# Altium PCB EPS.PcbDoc (part 7 of 10)
Units mm, origin at the board's own origin, x right, y up, seen from the top; angles counter-clockwise.
Board outline 90.25 x 93.64 mm, 8 copper layers (Top Layer, PGND, Power, Control Signals 1, Control Signals 2, Signal 1, Signal 2, Bottom Layer), stack 1.637 mm thick; 941 components, 557 nets, 2694 pads, 869 vias.
Unrouted connection lines stored in the file: 2.
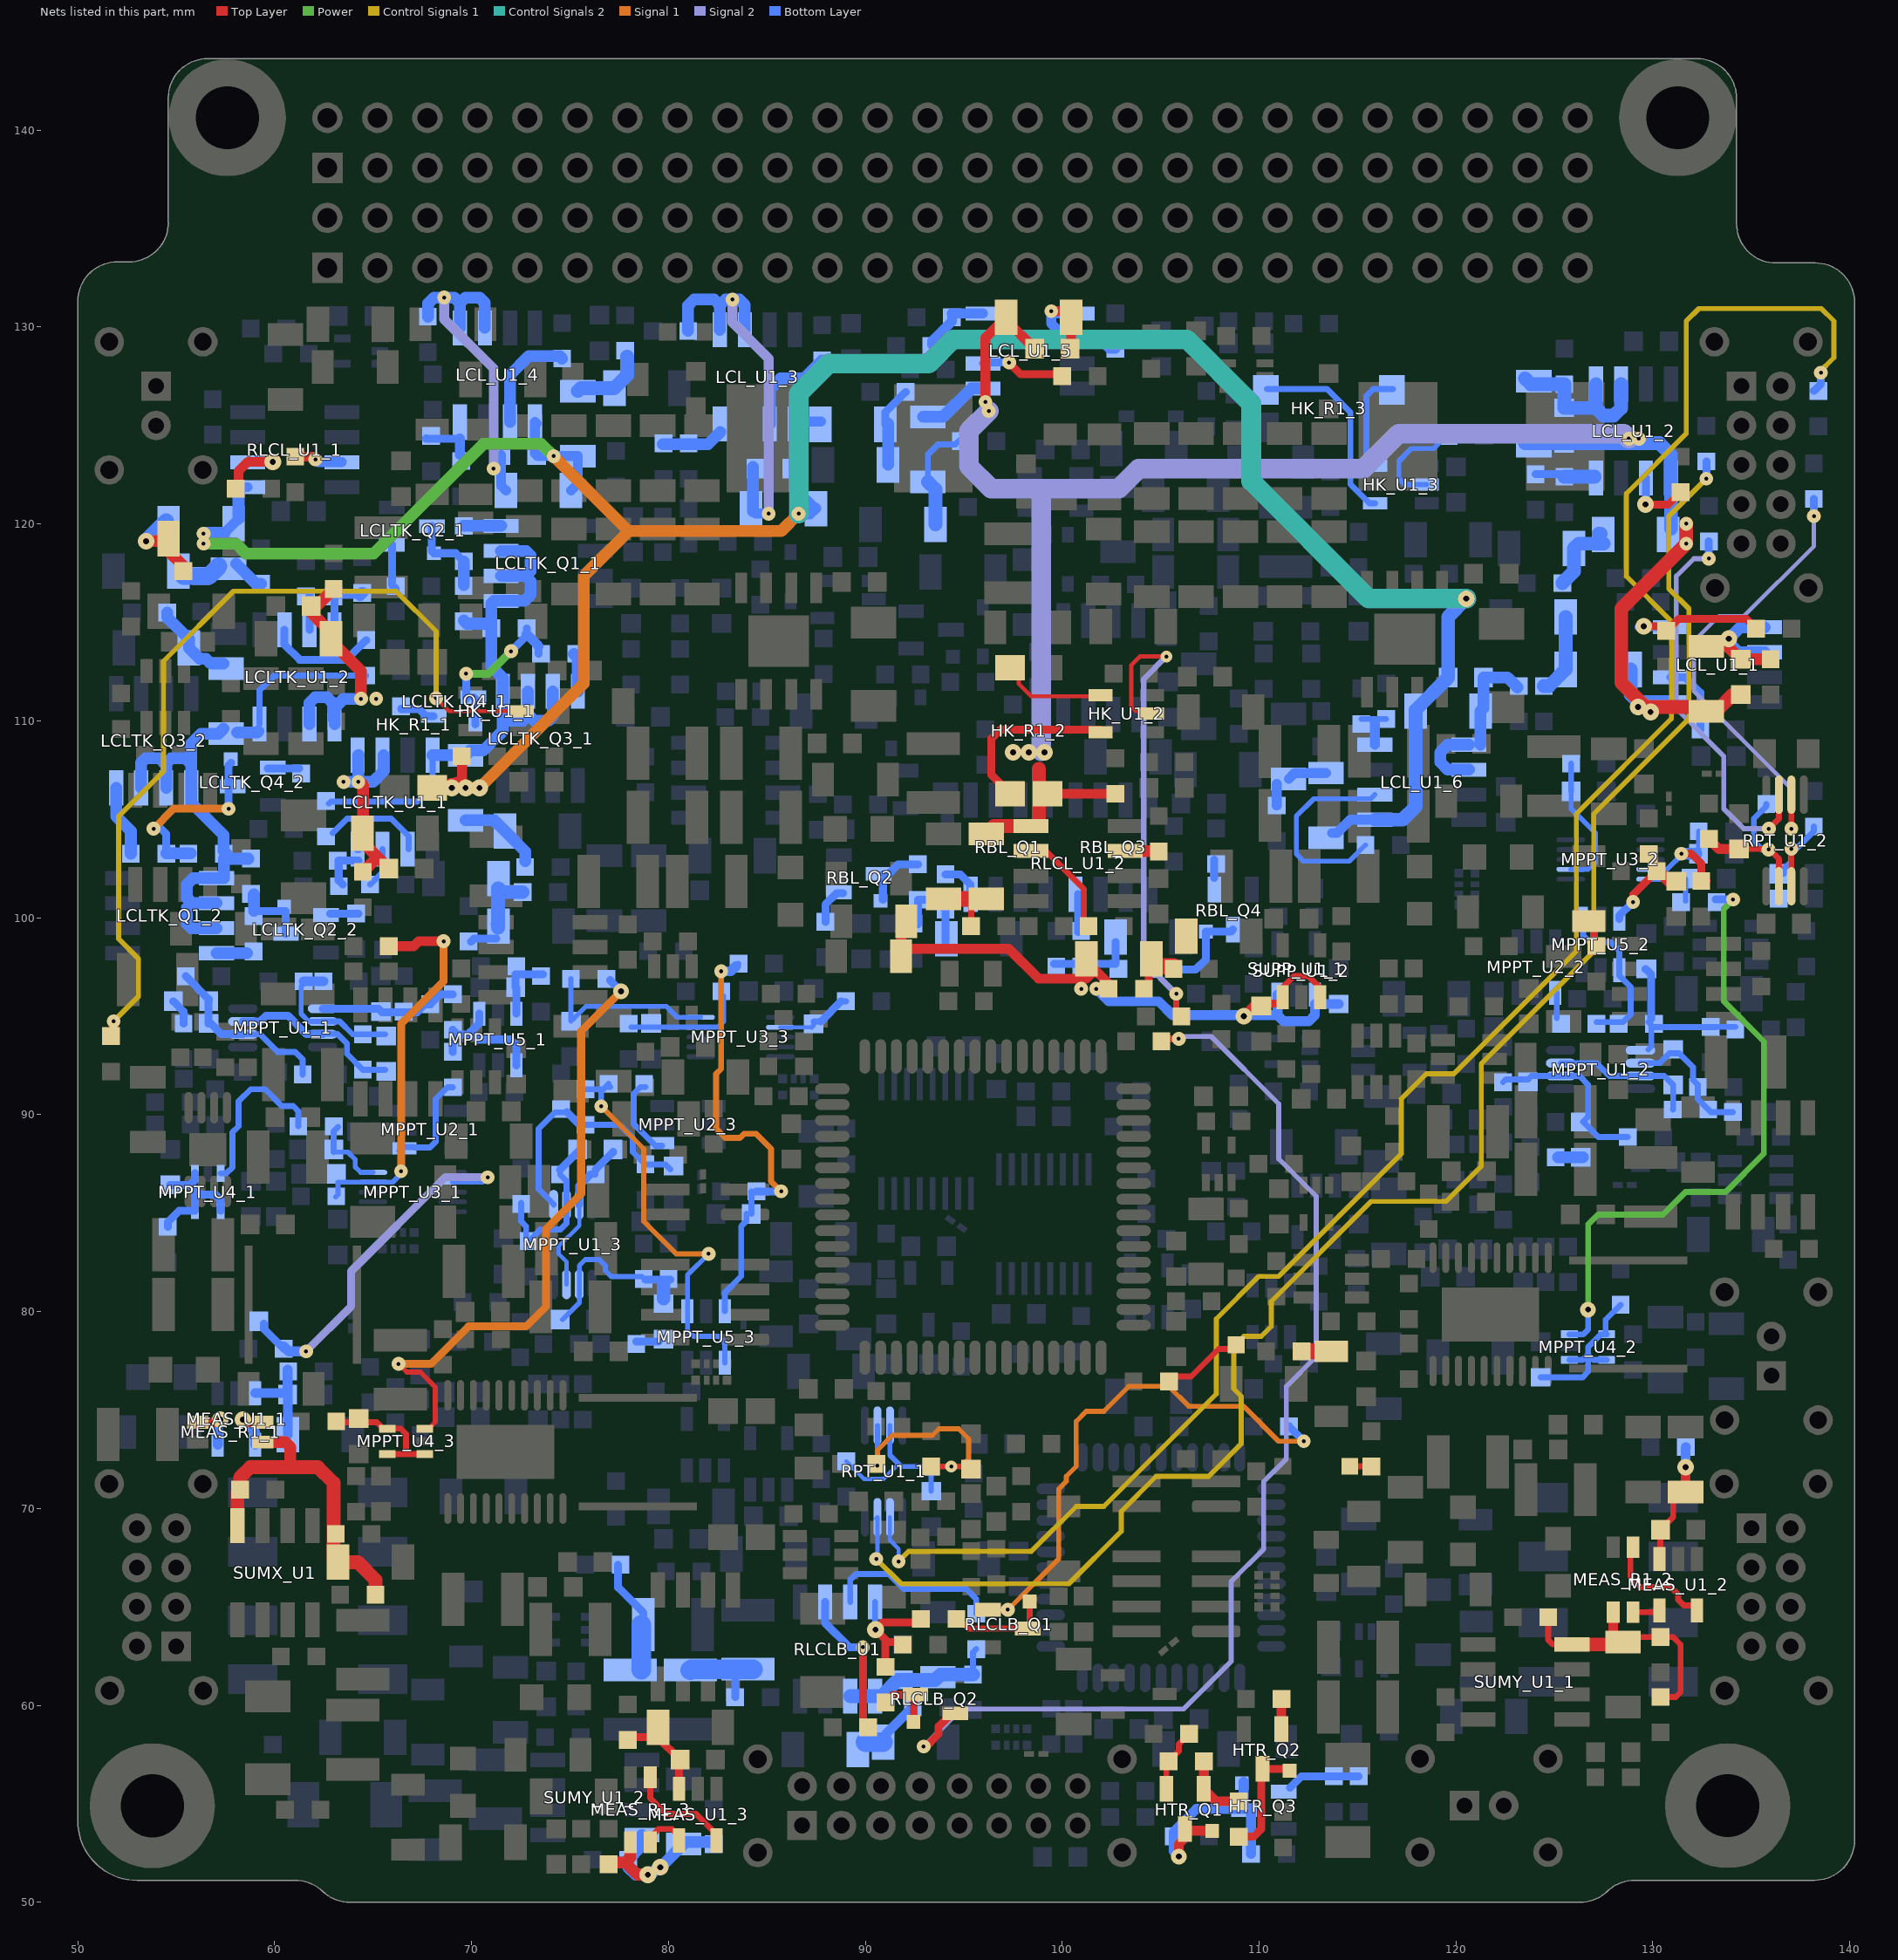
[diagram p13: the nets of this part, all layers, seen from the top]

## Via types
v1: diameter 0.7, hole 0.2, Top Layer to Bottom Layer, 431 vias
v2: diameter 0.85, hole 0.3, Top Layer to Bottom Layer, 345 vias
v3: diameter 0.6, hole 0.2, Top Layer to Bottom Layer, 62 vias
v4: diameter 0.8, hole 0.3, Top Layer to Bottom Layer, 19 vias
v5: diameter 0.75, hole 0.3, Top Layer to Bottom Layer, 7 vias
v6: diameter 1, hole 0.4, Top Layer to Bottom Layer, 2 vias
v7: diameter 0.7, hole 0.3, Top Layer to Bottom Layer, 2 vias
v8: diameter 1, hole 0.3, Top Layer to Bottom Layer, 1 vias

## Nets (pads, with @x,y where several pads share a name; then routed paths per layer and width w, separated by ;. In a path a pad name is that pad's centre, name@x,y a point inside that pad or via, vN(x,y) a via of type N, cw(c..) or ccw(c..) an arc to the next point about the centre after c; other vN are vias at no path point) (continued)
NetHK_R1_1_4: HK_R1_1.4 HK_R3_1.1 LCL_C1_3.1 LCL_C1_4.1 LCL_C1_6.1 LCL_C4_3.1 LCL_C4_4.1 LCL_C4_6.1 LCL_C5_3.1 LCL_C5_4.1 LCL_C5_6.1 LCL_U1_3.1 LCL_U1_4.1 LCL_U1_6.1 RLCL_C1_1.1 RLCL_U1_1.1 | length 137
  Top Layer w0.5: HK_R1_1.4@67.95,106.6 67.997,106.611 68.942,106.84 69.524,106.981 HK_R3_1.1@69.524,108.132
  Power w0.6: v1(56.388,118.999) 58.039,118.999 58.547,118.491 65.024,118.491 70.612,124.079 73.533,124.079 v1(74.168,123.444)
  Signal 1 w0.6: v2(69.7,106.6) v2(70.4,106.6) 75.692,111.892 75.692,117.348 77.978,119.634 ; v1(74.168,123.444) 77.978,119.634 ; v1(86.614,120.523) 85.725,119.634 77.978,119.634
  Control Signals 2 w1: v1(86.614,120.523) 86.614,126.619 88.138,128.143 93.218,128.143 94.451,129.376 106.336,129.376 109.601,126.111 109.601,122.174 115.57,116.205 v2(120.523,116.205)
  Bottom Layer w0.5: RLCL_C1_1.1@57.403,119.507 RLCL_C1_1.1@57.911,120.015 RLCL_C1_1.1@58.166,120.27 ; RLCL_U1_1.1@58.166,121.867 RLCL_U1_1.1@58.629,121.867 ; LCL_U1_4.1@73.3,125.1 LCL_U1_4.1@73.22,125.18 73.22,123.58 LCL_C5_4.1@73.3,123.5 73.35,123.45 LCL_C1_4.1@75.4,123.45 75.4,122.05 LCL_C4_4.1@75.05,121.7 ; LCL_C4_3.1@87.45,120.8 86.36,121.89 86.36,124.46 86.42,124.52 LCL_U1_3.1@86.42,125.08 86.54,125.2 LCL_C1_3.1@87.75,125.2 ; LCL_C1_6.1@113.7,104.3 113.952,104.3 114.632,104.98 LCL_U1_6.1@115.88,104.98
  Bottom Layer w0.6: RLCL_C1_1.1@58.166,120.27 RLCL_U1_1.1@58.166,121.867 ; v1(86.614,120.523) 87.173,120.523 LCL_C4_3.1@87.45,120.8
  Bottom Layer w0.7: v1(56.388,119.507) RLCL_C1_1.1@57.403,119.507 ; LCL_U1_6.1@115.88,104.98 117.28,104.98 117.95,105.65 LCL_C4_6.1@117.95,110.5 117.95,110.55 LCL_C5_6.1@119.6,112.2 119.6,115.282 v2(120.523,116.205)
  other v2: 69,106.6
NetHK_R1_2_2: HK_R1_2.2 HK_U1_2.4 | length 5.5
  Top Layer w0.208: HK_R1_2.2@97.35,112.7 97.79,112.26 97.79,111.887 98.425,111.252 101.742,111.252 HK_U1_2.4@101.94,111.45
NetHK_R1_2_3: HK_R1_2.3 HK_U1_2.5 | length 8.9
  Top Layer w0.4: HK_R1_2.3@97.35,106.3 96.4,107.25 96.4,109.1 96.85,109.55 HK_U1_2.5@101.94,109.55
NetHK_R1_2_4: HK_R1_2.4 HK_R3_2.1 LCL_C1_1.1 LCL_C1_2.1 LCL_C1_5.1 LCL_C4_1.1 LCL_C4_2.1 LCL_C4_5.1 LCL_C5_1.1 LCL_C5_2.1 LCL_C5_5.1 LCL_U1_1.1 LCL_U1_2.1 LCL_U1_5.1 RLCL_C1_2.1 RLCL_U1_2.1 | length 102.3
  Top Layer w0.5: v1(96.1,126.2) 96.1,129.45 LCL_C4_5.1@97.15,130.5 97.15,130.35 LCL_C5_5.1@98.6,128.9 ; HK_R1_2.4@99.95,106.3 HK_R3_2.1@102.7,106.3
  Top Layer w0.7: RLCL_C1_2.1@96.139,104.266 96.536,104.663 RLCL_U1_2.1@98.418,104.663 ; RLCL_U1_2.1@98.806,104.648 98.806,107.569 ; v2@129.718,110.707 132.677,110.707 132.736,110.701 133.371,110.638 134.063,111.33 LCL_C5_1.1@134.455,111.33 ; v2(129.883,110.452) 128.397,111.938 128.397,115.697 v1(131.699,118.999) v1(131.699,120.015)
  Signal 2 w1: v1(96.266,125.73) 95.25,124.714 95.25,122.936 96.393,121.793 98.933,121.793 ; v2@98.933,108.458 98.933,121.793 ; v1(128.778,124.333) 128.524,124.587 117.094,124.587 115.316,122.809 103.886,122.809 102.87,121.793 98.933,121.793
  Bottom Layer w0.6: LCL_C1_5.1@92.926,125.437 LCL_C1_5.1@93.18,125.437 93.941,125.437 95.384,126.88 LCL_U1_5.1@95.98,126.88
  Bottom Layer w0.7: LCL_C4_2.1@123.5,124.1 LCL_C5_2.1@125.5,124.1 130.332,124.1 130.92,123.512 LCL_U1_2.1@130.92,122.33 LCL_C1_2.1@130.92,119.77 ; LCL_C1_1.1@128.866,112.611 128.866,111.344 129.248,110.962 v2(129.248,110.706) 129.487,110.945 LCL_U1_1.1@130.892,110.945
  other v1: 129.286,124.333
  other v2: 97.5,108.4 98.3,108.4 99.1,108.4
NetHK_R1_3_2: HK_R1_3.2 HK_U1_3.4 | length 10
  Bottom Layer w0.3: HK_R1_3.2@110.4,126.85 113.45,126.85 114.643,125.657 114.643,122.009 115.602,121.05 HK_U1_3.4@115.89,121.05
NetHK_R1_3_3: HK_R1_3.3 HK_U1_3.5 | length 5.4
  Bottom Layer w0.3: HK_U1_3.5@115.89,122.95 115.607,122.95 115.443,123.114 115.443,126.492 115.801,126.85 HK_R1_3.3@116.8,126.85
NetHK_R5_1_1: HK_R5_1.1 HK_U1_1.2 | length 45.2
  Top Layer w0.208: v1(68.199,111.153) 68.862,110.49 HK_U1_1.2@72.557,110.49
  Top Layer w0.254: HK_R5_1.1@51.689,93.991 HK_R5_1.1@51.816,94.118
  Top Layer w0.5: HK_R5_1.1@51.816,94.118 v1(51.816,94.742)
  Control Signals 1 w0.254: v1(51.816,94.742) 53.086,96.012 53.086,97.917 52.07,98.933 52.07,105.156 54.356,107.442 54.356,113.03 57.912,116.586 66.167,116.586 68.199,114.554 v1(68.199,111.153)
NetHK_R5_2_1: HK_R5_2.1 HK_U1_2.2 | length 24.7
  Top Layer w0.208: HK_U1_2.2@104.56,110.5 103.749,110.5 103.505,110.744 103.505,112.829 103.948,113.273 v3(105.283,113.273)
  Top Layer w0.3: v1(105.791,96.139) 105.791,95.261 HK_R5_2.1@106.056,94.996
  Signal 2 w0.3: v3(105.283,113.273) 104.14,112.13 104.14,97.79 v1(105.791,96.139)
NetHK_R5_3_1: HK_R5_3.1 HK_U1_3.2 | length 5.4
  Bottom Layer w0.254: HK_U1_3.2@118.51,122 117.395,122 117.094,122.301 117.094,123.19 117.729,123.825 118.861,123.825 HK_R5_3.1@119.496,124.46
NetHTR_Q1_B: HTR_Q1.B HTR_R4.1 HTR_R5.2 | length 3.6
  Top Layer w0.5: HTR_R4.1@107.199,57.15 107.199,55.764 HTR_Q1.B@107.188,55.753 107.812,55.129 HTR_R5.2@108.966,55.129 HTR_R5.2@109.093,55.129
NetHTR_Q1_C: HTR_Q1.C HTR_Q1.Shield HTR_Q3.D HTR_Q3.Shield HTR_R2.2 HTR_R3.2 | length 12
  Top Layer w0.5: v4(105.918,52.324) 105.918,52.959 106.238,53.279 HTR_Q1.C@106.238,53.728 106.338,53.628 HTR_Q1.Shield@107.613,53.628
  Bottom Layer w0.5: v4(105.918,52.324) 105.653,52.589 HTR_R2.2@105.653,53.34 105.653,53.583 106.807,54.737 109.208,54.737 HTR_Q3.Shield@109.208,56.112 ; HTR_R3.2@109.59,52.451 HTR_Q3.D@109.59,54.737
NetHTR_Q1_E: HTR_Q1.E HTR_R1.1 HTR_R4.2 | length 3.1
  Top Layer w0.3: HTR_Q1.E@105.288,55.753 105.288,57.039 HTR_R4.2@105.399,57.15 105.918,57.669 105.918,58.028 HTR_R1.1@106.31,58.42
NetHTR_Q2_B: HTR_Q2.B HTR_R8.1 | length 0.8
  Top Layer w0.5: HTR_Q2.B@111.125,59.436 HTR_R8.1@111.125,60.26
NetHTR_Q2_C: HTR_Q2.C HTR_Q2.Shield HTR_R5.1 | length 5.4
  Top Layer w0.4: HTR_R5.1@109.093,53.329 109.717,53.329 110.109,53.721 110.109,56.515 HTR_Q2.C@110.359,56.765 ; HTR_Q2.C@110.363,56.769 HTR_Q2.C@110.359,56.765 ; HTR_Q2.Shield@111.385,56.765 HTR_Q2.C@110.359,56.765
NetHTR_Q3_G: HTR_Q3.G HTR_R6.2 HTR_R7.2 | length 3.7
  Bottom Layer w0.4: HTR_Q3.G@111.567,55.814 112.152,56.399 HTR_R7.2@113.792,56.399 113.803,56.388 HTR_R6.2@115.051,56.388
NetLCL_C1_1_2: LCL_C1_1.2 LCL_C3_1.1 LCL_R5_1.2 | length 4.1
  Bottom Layer w0.7: LCL_R5_1.2@124.46,111.771 124.726,111.771 LCL_C1_1.2@125.566,112.611 125.566,115.276 LCL_C3_1.1@125.564,115.278
NetLCL_C1_2_2: LCL_C1_2.2 LCL_C3_2.1 LCL_R5_2.2 | length 3.7
  Bottom Layer w0.7: LCL_R5_2.2@125.4,117 125.987,117.587 LCL_C3_2.1@125.987,118.75 126.237,119 LCL_C1_2.2@127.5,119 ; LCL_C1_2.2@127.25,119.5 LCL_C1_2.2@127.35,119.5
NetLCL_C1_3_2: LCL_C1_3.2 LCL_C3_3.1 LCL_R5_3.2 | length 4.2
  Bottom Layer w0.4: LCL_C1_3.2@91.02,125.057 91.02,125.68 LCL_R5_3.2@92.048,126.708
  Bottom Layer w0.6: LCL_C3_3.1@91.15,123 LCL_C1_3.2@91.15,125.1
NetLCL_C1_4_2: LCL_C1_4.2 LCL_C3_4.1 LCL_R5_4.2 | length 3.8
  Bottom Layer w0.7: LCL_C1_4.2@75.4,126.75 75.55,126.9 LCL_C3_4.1@77.25,126.9 77.9,127.55 LCL_R5_4.2@77.9,128.5
NetLCL_C1_5_2: LCL_C1_5.2 LCL_C3_5.1 LCL_R5_5.2 | length 5.7
  Bottom Layer w0.3: LCL_C1_5.2@93.18,122.137 93.18,123.533 93.688,124.041 94.566,124.041 LCL_R5_5.2@94.82,124.295
  Bottom Layer w0.7: LCL_C1_5.2@93.18,122.137 93.56,121.757 LCL_C3_5.1@93.56,119.977
NetLCL_C1_6_2: LCL_C1_6.2 LCL_C3_6.1 LCL_R5_6.2 | length 3.1
  Bottom Layer w0.5: LCL_R5_6.2@110.9,105.7 LCL_C3_6.1@110.9,106.807 ; LCL_C3_6.1@111.5,107.05 111.8,107.35 LCL_C1_6.2@113.4,107.35
NetLCL_C4_1_2: LCL_C4_1.2 LCL_C5_1.2 LCL_R3_1.2 LCL_U1_1.5 LCL_U1_1.6 | length 7.3
  Top Layer w0.6: LCL_C4_1.2@133.096,113.792 133.793,113.792 LCL_C5_1.2@134.455,113.13 LCL_R3_1.2@135.852,113.13
  Bottom Layer w0.6: LCL_U1_1.6@135.672,113.485 134.343,113.485 133.858,113.97 v2(133.858,114.173) 134.44,114.755 LCL_U1_1.5@135.672,114.755
NetLCL_C4_2_2: LCL_C4_2.2 LCL_C5_2.2 LCL_R3_2.2 LCL_U1_2.5 LCL_U1_2.6 | length 9
  Bottom Layer w0.7: LCL_C4_2.2@123.5,127.4 123.8,127.1 LCL_R3_2.2@125.5,127.1 LCL_C5_2.2@125.5,125.9 125.51,125.89 127.11,125.89 ; LCL_U1_2.5@127.11,127.11 127.11,125.89 ; LCL_U1_2.6@128.38,127.11 128.38,125.88 128,125.5 127.5,125.5 127.11,125.89
NetLCL_C4_3_2: LCL_C4_3.2 LCL_C5_3.2 LCL_R3_3.2 LCL_U1_3.5 LCL_U1_3.6 | length 21.9
  Signal 2 w0.5: v1(83.25,131.4) 83.25,130.237 85.09,128.397 v1(85.09,120.523)
  Bottom Layer w0.4: LCL_C4_3.2@84.3,120.65 LCL_C4_3.2@84.427,120.523
  Bottom Layer w0.5: LCL_C4_3.2@84.427,120.523 v1(85.09,120.523)
  Bottom Layer w0.6: LCL_R3_3.2@81,129.8 81,131.1 81.3,131.4 82.32,131.4 82.61,131.11 ; LCL_U1_3.5@82.61,129.86 82.61,131.11 ; LCL_U1_3.6@83.88,129.86 83.88,131.12 83.6,131.4 v1(83.25,131.4) 82.9,131.4 82.61,131.11 ; LCL_C4_3.2@84.3,120.65 LCL_C5_3.2@84.3,122.9
NetLCL_C4_4_2: LCL_C4_4.2 LCL_C5_4.2 LCL_R3_4.2 LCL_U1_4.5 LCL_U1_4.6 | length 18.2
  Signal 2 w0.5: v1(68.61,131.5) 68.61,130.399 71.12,127.889 v1(71.12,122.809)
  Bottom Layer w0.5: LCL_C5_4.2@71.5,123.5 71.5,121.95 LCL_C4_4.2@71.75,121.7
  Bottom Layer w0.6: LCL_R3_4.2@67.8,130.529 67.8,131.2 68.1,131.5 v1(68.61,131.5) 69.12,131.5 69.41,131.21 ; LCL_U1_4.5@69.41,129.96 69.41,131.21 ; LCL_U1_4.6@70.68,129.96 70.68,131.22 70.4,131.5 69.7,131.5 69.41,131.21
NetLCL_C4_5_2: LCL_C4_5.2 LCL_C5_5.2 LCL_R3_5.2 LCL_U1_5.5 LCL_U1_5.6 | length 7.9
  Top Layer w0.5: v1(99.441,130.81) 100.14,130.81 LCL_C4_5.2@100.45,130.5 100.45,128.95 LCL_C5_5.2@100.4,128.9
  Bottom Layer w0.5: v1(99.441,130.81) v1@99.441,130.69 ; LCL_U1_5.6@100.203,129.413 99.441,130.175 v1@99.441,130.69 ; LCL_U1_5.6@100.76,129.42 101.88,129.42 102.4,128.9 LCL_R3_5.2@102.7,128.9 ; LCL_U1_5.5@100.76,130.69 v1@99.441,130.69
NetLCL_C4_6_2: LCL_C4_6.2 LCL_C5_6.2 LCL_R3_6.2 LCL_U1_6.5 LCL_U1_6.6 | length 9.1
  Bottom Layer w0.6: LCL_U1_6.6@120.66,107.52 119.58,107.52 119.2,107.9 119.2,108.4 119.59,108.79 LCL_U1_6.5@120.66,108.79 ; LCL_U1_6.5@121.25,108.8 LCL_C4_6.2@121.25,110.5 121.4,110.65 LCL_C5_6.2@121.4,112.2 122.623,112.2 LCL_R3_6.2@123.121,111.702
NetLCL_R1_1_1: LCL_R1_1.1 LCL_U1_1.2 | length 3.7
  Bottom Layer w0.4: LCL_U1_1.2@130.892,112.215 131.625,112.215 132.412,111.428 LCL_R1_1.1@132.412,109.563
NetLCL_R1_2_1: LCL_R1_2.1 LCL_U1_2.2 | length 3.4
  Top Layer w0.4: v2(129.629,120.993) 130.783,120.993 LCL_R1_2.1@131.407,121.617
  Bottom Layer w0.4: v2(129.629,120.993) 129.65,121.014 LCL_U1_2.2@129.65,122.33
NetLCL_R1_3_1: LCL_R1_3.1 LCL_U1_3.2 | length 5
  Bottom Layer w0.6: LCL_U1_3.2@85.15,125.08 85.15,126.85 85.7,127.4 86.9,127.4 LCL_R1_3.1@87.8,128.3
NetLCL_R1_4_1: LCL_R1_4.1 LCL_U1_4.2 | length 5.5
  Bottom Layer w0.6: LCL_U1_4.2@71.95,125.18 71.95,127.576 72.899,128.525 74.475,128.525 LCL_R1_4.1@74.6,128.4
NetLCL_R1_5_1: LCL_R1_5.1 LCL_U1_5.2 | length 4.2
  Top Layer w0.4: v1(97.3,128.2) 97.9,127.6 LCL_R1_5.1@99.9,127.6
  Bottom Layer w0.4: LCL_U1_5.2@95.98,128.15 96.03,128.2 v1(97.3,128.2)
NetLCL_R1_6_1: LCL_R1_6.1 LCL_U1_6.2 | length 10.4
  Bottom Layer w0.254: LCL_R1_6.1@115.4,103.7 114.57,102.87 112.268,102.87 111.887,103.251 111.887,105.156 112.776,106.045 115.675,106.045 LCL_U1_6.2@115.88,106.25
NetLCL_R2_1_2: LCL_R2_1.2 LCL_R4_1.1 LCL_U1_1.4 | length 8.2
  Top Layer w0.4: v2(129.54,114.808) 130.44,114.808 LCL_R4_1.1@130.683,114.565 130.694,114.565 131.318,115.189 134.736,115.189 LCL_R2_1.2@135.244,114.681
  Bottom Layer w0.4: v2(129.54,114.808) 129.316,114.808 129.263,114.755 LCL_U1_1.4@130.892,114.755
NetLCL_R2_2_2: LCL_R2_2.2 LCL_R4_2.1 LCL_U1_2.4 | length 3.1
  Bottom Layer w0.4: LCL_R4_2.1@124.041,122.528 125.372,122.528 LCL_R2_2.2@125.5,122.4
  Bottom Layer w0.7: LCL_R2_2.2@125.5,122.4 LCL_U1_2.4@127.04,122.4
NetLCL_R2_3_2: LCL_R2_3.2 LCL_R4_3.1 LCL_U1_3.4 | length 3.2
  Bottom Layer w0.6: LCL_R4_3.1@79.718,124.052 82.015,124.052 LCL_U1_3.4@82.639,124.676
NetLCL_R2_4_2: LCL_R2_4.2 LCL_R4_4.1 LCL_U1_4.4 | length 2.5
  Bottom Layer w0.4: LCL_R2_4.2@67.691,124.344 67.702,124.333 LCL_U1_4.4@69.41,124.333
  Bottom Layer w0.5: LCL_R4_4.1@69.41,123.51 LCL_U1_4.4@69.41,124.333
NetLCL_R2_5_2: LCL_R2_5.2 LCL_R4_5.1 LCL_U1_5.4 | length 3.4
  Bottom Layer w0.5: LCL_R4_5.1@93.4,129.1 93.4,129.3 94.4,130.3 LCL_R2_5.2@94.4,130.5 ; LCL_R2_5.2@94.39,130.69 LCL_U1_5.4@95.98,130.69
NetLCL_R2_6_2: LCL_R2_6.2 LCL_R4_6.1 LCL_U1_6.4 | length 2.5
  Bottom Layer w0.3: LCL_R4_6.1@115.189,110.098 LCL_R2_6.2@116.459,110.098
  Bottom Layer w0.5: LCL_U1_6.4@115.88,108.79 115.88,109.982
NetLCLTK_C1_1_2: LCLTK_C1_1.2 LCLTK_C3_1.1 LCLTK_R14_1.2 LCLTK_R16_1.1 | length 4.9
  Bottom Layer w0.4: LCLTK_R16_1.1@69.977,98.784 70.126,98.933 LCLTK_C3_1.1@71.247,98.933 ; LCLTK_C3_1.1@71.166,99.684 LCLTK_C3_1.1@71.35,99.5
  Bottom Layer w0.7: LCLTK_C3_1.1@71.35,99.5 71.35,101.5 71.55,101.3 LCLTK_R14_1.2@72.595,101.3
NetLCLTK_C1_2_2: LCLTK_C1_2.2 LCLTK_C3_2.1 LCLTK_R14_2.2 LCLTK_R16_2.1 | length 3.7
  Bottom Layer w0.6: LCLTK_C1_2.2@58.039,117.983 59.066,116.956 LCLTK_R14_2.2@59.309,116.956
  Bottom Layer w0.9: LCLTK_C3_2.1@55.372,117.348 56.642,117.348 LCLTK_C1_2.2@57.15,117.856
NetLCLTK_C2_1_1: LCLTK_C2_1.1 LCLTK_Q1_1.S LCLTK_Q3_1.S LCLTK_R1_1.2 LCLTK_R4_1.2 LCLTK_R9_1.2 LCLTK_U1_1.8 | length 32.3
  Bottom Layer w0.3: LCLTK_R4_1.2@62.75,105.8 62.85,105.9 67.2,105.9 ; 67.25,105.9 68.02,106.67 LCLTK_U1_1.8@68.02,108.26
  Bottom Layer w0.6: LCLTK_U1_1.8@68.02,108.26 69.69,108.26 LCLTK_C2_1.1@69.7,108.25 69.95,108.5 70.6,108.5 71.59,109.49 71.59,110.31 ; LCLTK_R1_1.2@69.6,115.1 69.765,114.935 70.765,114.935 LCLTK_R9_1.2@71,114.7 ; LCLTK_Q1_1.S@71.5,117.36 72.74,117.36 ; LCLTK_Q1_1.S@71.5,118.63 72.77,118.63 73,118.4 73,117.6 72.76,117.36 72.74,117.36 ; LCLTK_Q3_1.S@72.86,111.5 72.86,110.34 ; LCLTK_Q3_1.S@74.13,111.5 74.13,110.23 73.9,110 73.2,110 72.86,110.34 ; LCLTK_R9_1.2@71,114.7 71,115.958 71.132,116.09 LCLTK_Q1_1.S@71.5,116.09 72.69,116.09 73,116.4 73,117.1 72.74,117.36 ; LCLTK_R9_1.2@71,114.7 71,112.769 71.59,112.179 LCLTK_Q3_1.S@71.59,111.5 71.59,110.31 ; 71.59,110.31 71.9,110 72.6,110 72.86,110.26 72.86,110.34
NetLCLTK_C2_1_2: LCLTK_C2_1.2 LCLTK_C5_1.1 LCLTK_R15_1.2 | length 4.2
  Bottom Layer w0.6: LCLTK_C2_1.2@69.7,104.95 71.15,104.95 LCLTK_C5_1.1@71.7,104.4 72.733,103.367 LCLTK_R15_1.2@72.733,102.867
NetLCLTK_C2_2_1: LCLTK_C2_2.1 LCLTK_Q1_2.S LCLTK_Q3_2.S LCLTK_R1_2.2 LCLTK_R4_2.2 LCLTK_R9_2.2 LCLTK_U1_2.8 | length 31.8
  Bottom Layer w0.3: LCLTK_U1_2.8@59.23,109.84 59.23,111.554 59.976,112.3 LCLTK_R4_2.2@64.65,112.3 LCLTK_R4_2.2@64.55,112.2
  Bottom Layer w0.6: LCLTK_Q3_2.S@53.22,106.6 53.22,107.87 53.45,108.1 54.15,108.1 54.49,107.76 ; LCLTK_Q3_2.S@54.49,106.6 54.49,107.76 ; LCLTK_Q1_2.S@57.05,99.47 55.78,99.47 55.55,99.7 55.55,100.5 55.79,100.74 55.81,100.74 ; LCLTK_Q1_2.S@57.05,100.74 55.81,100.74 ; LCLTK_C2_2.1@57.4,109.6 57.147,109.347 56.261,109.347 55.76,108.846 55.76,107.79 ; LCLTK_R9_2.2@57.55,103.251 57.404,103.397 57.404,104.203 55.76,105.847 LCLTK_Q3_2.S@55.76,106.6 55.76,107.79 ; LCLTK_C2_2.1@58.1,109.4 59.108,109.4 LCLTK_U1_2.8@59.182,109.474 ; LCLTK_R1_2.2@58.674,102.997 57.433,102.997 57.433,102.01 LCLTK_Q1_2.S@57.05,102.01 55.86,102.01 55.55,101.7 55.55,101 55.81,100.74 ; 54.49,107.76 54.49,107.84 54.75,108.1 55.45,108.1 55.76,107.79
NetLCLTK_C2_2_2: LCLTK_C2_2.2 LCLTK_C5_2.1 LCLTK_R15_2.2 | length 4.3
  Bottom Layer w0.6: LCLTK_R15_2.2@54.55,115.5 54.55,115.249 55.65,114.149 LCLTK_C5_2.1@55.65,113.7 56.193,113.157 56.515,113.157 56.772,112.9 LCLTK_C2_2.2@57.4,112.9
NetLCLTK_C4_1_2: LCLTK_C4_1.2 LCLTK_C6_1.2 LCLTK_R7_1.2 LCLTK_U1_1.5 LCLTK_U1_1.6 | length 10.7
  Top Layer w0.6: v1@64.329,106.9 64.5,106.729 64.5,104.3 64.45,104.25 64.45,103.85 65.15,103.15 ; LCLTK_R7_1.2@64.478,102.335 65.15,103.007 65.15,103.15 ; LCLTK_C4_1.2@65.635,102.335 LCLTK_C4_1.2@65.8,102.5 65.15,103.15
  Bottom Layer w0.6: v1(63.5,106.9) v1(64.25,106.9) 64.25,108.25 LCLTK_U1_1.5@64.26,108.26 ; v1@64.329,106.9 64.99,106.9 65.53,107.44 LCLTK_U1_1.6@65.53,108.26
NetLCLTK_C4_2_2: LCLTK_C4_2.2 LCLTK_C6_2.2 LCLTK_R7_2.2 LCLTK_U1_2.5 LCLTK_U1_2.6 | length 12.5
  Top Layer w0.6: LCLTK_C6_2.2@62.9,114.454 61.822,115.532 LCLTK_R7_2.2@62.992,116.702 ; LCLTK_C6_2.2@62.95,114.2 62.95,113.961 64.389,112.522 v1(64.389,111.125)
  Bottom Layer w0.6: LCLTK_U1_2.6@61.77,109.84 61.77,110.92 62.05,111.2 62.65,111.2 62.992,110.858 LCLTK_U1_2.5@62.992,110.109 ; LCLTK_U1_2.5@63.04,109.84 63.04,110.665 63.5,111.125 v1(64.389,111.125)
  other v1: 65.151,111.125
NetLCLTK_Q1_1_G: LCLTK_Q1_1.G LCLTK_R2_1.2 | length 1.9
  Bottom Layer w0.6: LCLTK_R2_1.2@69.6,119.9 LCLTK_Q1_1.G@71.5,119.9
NetLCLTK_Q1_2_G: LCLTK_Q1_2.G LCLTK_R2_2.2 | length 1.5
  Bottom Layer w0.6: LCLTK_Q1_2.G@57.05,98.2 LCLTK_R2_2.2@58.587,98.2
NetLCLTK_Q2_1_B: LCLTK_Q2_1.B LCLTK_R3_1.1 | length 2.3
  Bottom Layer w0.4: LCLTK_Q2_1.B@65.959,118.938 65.959,116.904 LCLTK_R3_1.1@66.15,116.713
NetLCLTK_Q2_1_C: LCLTK_Q2_1.C LCLTK_Q2_1.Shield LCLTK_R1_1.1 LCLTK_R2_1.1 | length 4.3
  Bottom Layer w0.4: LCLTK_Q2_1.C@67.984,119.888 67.984,118.613 LCLTK_Q2_1.Shield@68.084,118.513 69.187,118.513 LCLTK_R2_1.1@69.6,118.1
  Bottom Layer w0.6: LCLTK_R1_1.1@69.6,116.9 LCLTK_R2_1.1@69.6,118.1
NetLCLTK_Q2_2_B: LCLTK_Q2_2.B LCLTK_R3_2.1 | length 1.4
  Bottom Layer w0.4: LCLTK_Q2_2.B@62.825,100.2 LCLTK_R3_2.1@64.25,100.2
NetLCLTK_Q2_2_C: LCLTK_Q2_2.C LCLTK_Q2_2.Shield LCLTK_R1_2.1 LCLTK_R2_2.1 | length 4.5
  Bottom Layer w0.4: LCLTK_R2_2.1@58.95,100.341 60.539,100.341 60.55,100.33 LCLTK_Q2_2.C@60.55,99.187
  Bottom Layer w0.6: LCLTK_R1_2.1@58.928,101.178 58.95,100.341 58.95,101.2 LCLTK_R1_2.1@58.928,101.178
NetLCLTK_Q3_1_G: LCLTK_Q3_1.G LCLTK_R10_1.2 | length 2
  Bottom Layer w0.6: LCLTK_R10_1.2@75.2,113.4 75.4,113.2 LCLTK_Q3_1.G@75.4,111.5
NetLCLTK_Q3_2_G: LCLTK_Q3_2.G LCLTK_R10_2.2 | length 3.7
  Bottom Layer w0.6: LCLTK_Q3_2.G@51.95,106.6 51.95,105.149 52.694,104.405 LCLTK_R10_2.2@52.694,103.251
NetLCLTK_Q4_1_B: LCLTK_Q4_1.B LCLTK_R11_1.1 | length 1.8
  Bottom Layer w0.4: LCLTK_R11_1.1@66.421,110.606 67.321,110.606 67.677,110.25 LCLTK_Q4_1.B@68.075,110.25
NetLCLTK_Q4_1_C: LCLTK_Q4_1.C LCLTK_Q4_1.Shield LCLTK_R9_1.1 LCLTK_R10_1.1 | length 8.2
  Power w0.4: v1(69.723,112.395) 70.866,112.395 v1(72.009,113.538)
  Bottom Layer w0.4: LCLTK_Q4_1.C@69.723,111.125 v1(69.723,112.395) ; LCLTK_Q4_1.C@70.1,111.2 70.2,111.1 LCLTK_Q4_1.Shield@70.2,109.825 ; v1(72.009,113.538) 72.8,114.329 72.8,114.398 LCLTK_R9_1.1@72.8,114.7 ; LCLTK_R10_1.1@73.4,113.4 LCLTK_R10_1.1@73.4,113.798
  Bottom Layer w0.5: LCLTK_R9_1.1@72.8,114.398 LCLTK_R10_1.1@73.4,113.798
NetLCLTK_Q4_2_B: LCLTK_Q4_2.B LCLTK_R11_2.1 | length 1.6
  Bottom Layer w0.4: LCLTK_Q4_2.B@59.65,107.573 LCLTK_R11_2.1@61.25,107.573
NetLCLTK_Q4_2_C: LCLTK_Q4_2.C LCLTK_Q4_2.Shield LCLTK_R9_2.1 LCLTK_R10_2.1 | length 9.6
  Signal 1 w0.4: v1(53.848,104.521) 54.864,105.537 v1(57.658,105.537)
  Bottom Layer w0.4: v1(53.848,104.521) 54.229,104.521 54.494,104.256 54.494,103.273 LCLTK_R10_2.1@54.494,103.251 ; v1(57.658,105.537) 57.658,107.738 LCLTK_Q4_2.Shield@57.785,107.865
  Bottom Layer w0.6: LCLTK_R10_2.1@54.494,103.273 LCLTK_R9_2.1@55.75,103.273
NetLCLTK_R4_1_1: LCLTK_R4_1.1 LCLTK_U1_1.2 | length 5.2
  Bottom Layer w0.3: LCLTK_R4_1.1@62.95,104.3 63.679,105.029 65.913,105.029 66.8,104.142 LCLTK_U1_1.2@66.8,103.48
NetLCLTK_R4_2_1: LCLTK_R4_2.1 LCLTK_U1_2.2 | length 5.6
  Bottom Layer w0.4: LCLTK_U1_2.2@60.5,114.62 60.5,113.871 61.271,113.1 63.65,113.1 LCLTK_R4_2.1@64.65,114.1
NetLCLTK_R6_1_2: LCLTK_R6_1.2 LCLTK_R13_1.1 LCLTK_U1_1.4 | length 2.3
  Bottom Layer w0.4: LCLTK_R6_1.2@63.45,101.7 63.25,101.9 63.25,102.9 LCLTK_U1_1.4@64.262,102.9 ; LCLTK_U1_1.4@64.21,103.48 LCLTK_U1_1.4@64.26,103.48
NetLCLTK_R6_2_2: LCLTK_R6_2.2 LCLTK_R13_2.1 LCLTK_U1_2.4 | length 3.2
  Bottom Layer w0.4: LCLTK_U1_2.4@63.04,114.62 63.04,116.39 LCLTK_R13_2.1@64.34,116.39
  Bottom Layer w0.6: LCLTK_R13_2.1@64.34,116.39 LCLTK_R13_2.1@64.45,116.5
NetLCLTK_R8_1_2: LCLTK_R8_1.2 LCLTK_U1_1.3 | length 2.1
  Bottom Layer w0.3: LCLTK_R8_1.2@64.848,101.689 65.48,102.321 LCLTK_U1_1.3@65.48,103.48
NetLCLTK_R8_2_2: LCLTK_R8_2.2 LCLTK_U1_2.3 | length 1.8
  Bottom Layer w0.4: LCLTK_U1_2.3@61.77,114.62 LCLTK_R8_2.2@61.77,116.448
NetLS_C1_1: LS_C1.1 LS_FB1.2 LS_FB2.2 LS_R2.1 SUPP_C4_1.1 SUPP_C4_2.1 SUPP_U1_1.1 SUPP_U1_1.3 SUPP_U1_2.1 SUPP_U1_2.3 | length 34.7
  Top Layer w0.3: SUPP_U1_2.1@111.191,95.845 SUPP_U1_2.1@111.191,95.972 111.191,96.459 111.765,97.033 112.5,97.033 113.091,96.441 SUPP_U1_2.3@113.091,95.972 SUPP_U1_2.3@113.091,95.845